# Altium PCB 宠物机器人&导购机器人.PcbDoc (part 5 of 14) (continued)
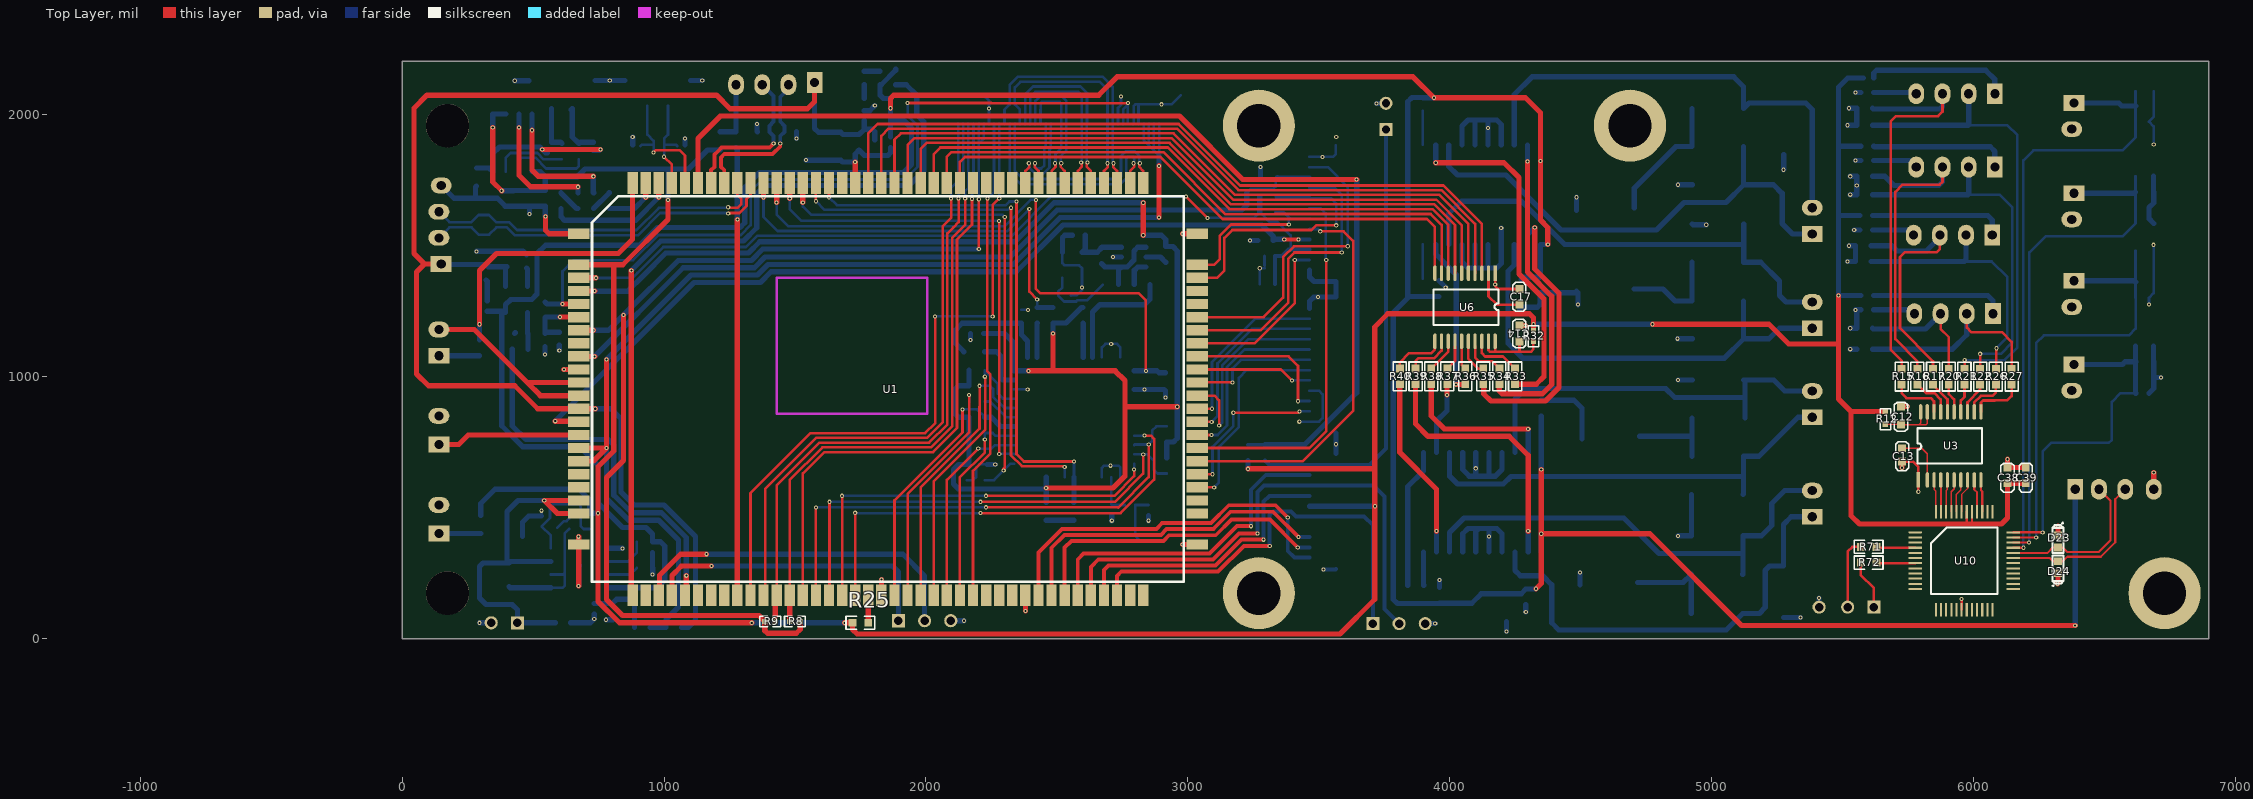
[diagram p0: Top Layer view]
## Free pads (board coordinates) (continued)
1(-1217.55,-384.78) 1(-1217.55,-384.78) 1(-1217.54,-384.59) 1(-1217.54,-384.59) 1(-1217.54,-384.59) 1(-1217.54,-384.59) 1(-1217.54,-384.59) 1(-1217.54,-384.59) 1(-1217.53,-384.73) 1(-1217.53,-384.73) 1(-1217.53,-384.73) 1(-1217.53,-384.67) 1(-1217.53,-384.67) 1(-1217.53,-384.67) 1(-1217.53,-384.52) 1(-1217.53,-384.52) 1(-1217.53,-384.52) 1(-1217.53,-384.47) 1(-1217.53,-384.47) 1(-1217.53,-384.47) 1(-1217.52,-383.69) 1(-1217.52,-383.69) 1(-1217.52,-383.69) 1(-1217.52,-383.69) 1(-1217.52,-383.69) 1(-1217.52,-383.69) 1(-1217.52,-383.49) 1(-1217.52,-383.49) 1(-1217.52,-383.49) 1(-1217.51,-383.22) 1(-1217.51,-383.22) 1(-1217.51,-383.22) 1(-1217.51,-384.8) 1(-1217.51,-384.8) 1(-1217.51,-384.8) 1(-1217.51,-384.8) 1(-1217.51,-384.8) 1(-1217.51,-384.8) 1(-1217.51,-384.78) 1(-1217.51,-384.78) 1(-1217.51,-384.78) 1(-1217.51,-384.8) 1(-1217.51,-384.8) 1(-1217.51,-384.8) 1(-1217.51,-384.8) 1(-1217.51,-384.8) 1(-1217.51,-384.8) 1(-1217.51,-384.62) 1(-1217.51,-384.62) 1(-1217.51,-384.62) 1(-1217.51,-384.59) 1(-1217.51,-384.59) 1(-1217.51,-384.59) 1(-1217.51,-384.59) 1(-1217.51,-384.59) 1(-1217.51,-384.59) 1(-1217.51,-384.59) 1(-1217.51,-384.59) 1(-1217.51,-384.59) 1(-1217.51,-384.57) 1(-1217.51,-384.57) 1(-1217.51,-384.57) 1(-1217.5,-384.7) 1(-1217.5,-384.7) 1(-1217.5,-384.7) 1(-1217.5,-383.3) 1(-1217.5,-383.3) 1(-1217.5,-383.3) 1(-1217.5,-384.03) 1(-1217.5,-384.03) 1(-1217.5,-384.03) 1(-1217.5,-383.9) 1(-1217.5,-383.9) 1(-1217.5,-383.9) 1(-1217.49,-384.89) 1(-1217.49,-384.89) 1(-1217.49,-384.89) 1(-1217.49,-383.07) 1(-1217.49,-383.07) 1(-1217.49,-383.07) 1(-1217.49,-385.21) 1(-1217.49,-385.21) 1(-1217.49,-385.21) 1(-1217.48,-384.25) 1(-1217.48,-384.25) 1(-1217.48,-384.25) 1(-1217.47,-383.3) 1(-1217.47,-383.3) 1(-1217.47,-383.3) 1(-1217.46,-383.49) 1(-1217.46,-383.49) 1(-1217.46,-383.49) 1(-1217.46,-384.81) 1(-1217.46,-384.81) 1(-1217.46,-384.81) 1(-1217.46,-383.32) 1(-1217.46,-383.32) 1(-1217.46,-383.32) 1(-1217.45,-385.13) 1(-1217.45,-385.13) 1(-1217.45,-385.13) 1(-1217.44,-384.08) 1(-1217.44,-384.08) 1(-1217.44,-384.08) 1(-1217.44,-384.74) 1(-1217.44,-384.74) 1(-1217.44,-384.74) 1(-1217.44,-385.07) 1(-1217.44,-385.07) 1(-1217.44,-385.07) 1(-1217.44,-385.07) 1(-1217.44,-385.07) 1(-1217.44,-385.07) 1(-1217.44,-385.04) 1(-1217.44,-385.04) 1(-1217.44,-385.04) 1(-1217.43,-383.98) 1(-1217.43,-383.98) 1(-1217.43,-383.98) 1(-1217.43,-384.34) 1(-1217.43,-384.34) 1(-1217.43,-384.34) 1(-1217.43,-383.47) 1(-1217.43,-383.47) 1(-1217.43,-383.47) 1(-1217.42,-383.32) 1(-1217.42,-383.32) 1(-1217.42,-383.32) 1(-1217.42,-383.85) 1(-1217.42,-383.85) 1(-1217.42,-383.85) 1(-1217.42,-384.64) 1(-1217.42,-384.64) 1(-1217.42,-384.64) 1(-1217.42,-383.07) 1(-1217.42,-383.07) 1(-1217.42,-383.07) 1(-1217.41,-385.1) 1(-1217.41,-385.1) 1(-1217.41,-385.1) 1(-1217.41,-385.1) 1(-1217.41,-385.1) 1(-1217.41,-385.1) 1(-1217.41,-384.28) 1(-1217.41,-384.28) 1(-1217.41,-384.28) 1(-1217.41,-384.23) 1(-1217.41,-384.23) 1(-1217.41,-384.23) 1(-1217.4,-384.46) 1(-1217.4,-384.46) 1(-1217.4,-384.46) 1(-1217.4,-383.57) 1(-1217.4,-383.57) 1(-1217.4,-383.57) 1(-1217.4,-383.57) 1(-1217.4,-383.57) 1(-1217.4,-383.57) 1(-1217.4,-383.57) 1(-1217.4,-383.57) 1(-1217.4,-383.57) 1(-1217.4,-383.52) 1(-1217.4,-383.52) 1(-1217.4,-383.52) 1(-1217.39,-384.16) 1(-1217.39,-384.16) 1(-1217.39,-384.16) 1(-1217.39,-384.33) 1(-1217.39,-384.33) 1(-1217.39,-384.33) 1(-1217.38,-385.13) 1(-1217.38,-385.13) 1(-1217.38,-385.13) 1(-1217.37,-384.51) 1(-1217.37,-384.51) 1(-1217.37,-384.51) 1(-1217.36,-385.1) 1(-1217.36,-385.1) 1(-1217.36,-385.1) 1(-1217.36,-385.1) 1(-1217.36,-385.1) 1(-1217.36,-385.1) 1(-1217.36,-385.1) 1(-1217.36,-385.1) 1(-1217.36,-385.1) 1(-1217.36,-383.51) 1(-1217.36,-383.51) 1(-1217.36,-383.51) 1(-1217.36,-385.1) 1(-1217.36,-385.1) 1(-1217.36,-385.1) 1(-1217.36,-385.1) 1(-1217.36,-385.1) 1(-1217.36,-385.1) 1(-1217.36,-385.04) 1(-1217.36,-385.04) 1(-1217.36,-385.04) 1(-1217.35,-384.89) 1(-1217.35,-384.89) 1(-1217.35,-384.89) 1(-1217.35,-384.78) 1(-1217.35,-384.78) 1(-1217.35,-384.78) 1(-1217.35,-383.47) 1(-1217.35,-383.47) 1(-1217.35,-383.47) 1(-1217.34,-384.27) 1(-1217.34,-384.27) 1(-1217.34,-384.27) 1(-1217.34,-384.1) 1(-1217.34,-384.1) 1(-1217.34,-384.1) 1(-1217.34,-384.08) 1(-1217.34,-384.08) 1(-1217.34,-384.08) 1(-1217.31,-384.84) 1(-1217.31,-384.84) 1(-1217.31,-384.84) 1(-1217.31,-384.75) 1(-1217.31,-384.75) 1(-1217.31,-384.75) 1(-1217.3,-383.29) 1(-1217.3,-383.29) 1(-1217.3,-383.29) 1(-1217.3,-383.08) 1(-1217.3,-383.08) 1(-1217.3,-383.08) 1(-1217.29,-384.42) 1(-1217.29,-384.42) 1(-1217.29,-384.42) 1(-1217.29,-385.14) 1(-1217.29,-385.14) 1(-1217.29,-385.14) 1(-1217.29,-384.78) 1(-1217.29,-384.78) 1(-1217.29,-384.78) 1(-1217.29,-383.34) 1(-1217.29,-383.34) 1(-1217.29,-383.34) 1(-1217.29,-384.2) 1(-1217.29,-384.2) 1(-1217.29,-384.2) 1(-1217.29,-384.12) 1(-1217.29,-384.12) 1(-1217.29,-384.12) 1(-1217.29,-383.81) 1(-1217.29,-383.81) 1(-1217.29,-383.81) 1(-1217.29,-384.29) 1(-1217.29,-384.29) 1(-1217.29,-384.29) 1(-1217.29,-383.96) 1(-1217.29,-383.96) 1(-1217.29,-383.96) 1(-1217.28,-385.1) 1(-1217.28,-385.1) 1(-1217.28,-385.1) 1(-1217.28,-385.1) 1(-1217.28,-385.1) 1(-1217.28,-385.1) 1(-1217.28,-385.1) 1(-1217.28,-385.1) 1(-1217.28,-385.1) 1(-1217.28,-385.09) 1(-1217.28,-385.09) 1(-1217.28,-385.09) 1(-1217.28,-385.09) 1(-1217.28,-385.09) 1(-1217.28,-385.09) 1(-1217.28,-385.04) 1(-1217.28,-385.04) 1(-1217.28,-385.04) 1(-1217.27,-383.3) 1(-1217.27,-383.3) 1(-1217.27,-383.3) 1(-1217.26,-384.9) 1(-1217.26,-384.9) 1(-1217.26,-384.9) 1(-1217.26,-384.6) 1(-1217.26,-384.6) 1(-1217.26,-384.6) 1(-1217.24,-384.71) 1(-1217.24,-384.71) 1(-1217.24,-384.71) 1(-1217.22,-385.1) 1(-1217.22,-385.1) 1(-1217.22,-385.1) 1(-1217.22,-385.1) 1(-1217.22,-385.1) 1(-1217.22,-385.1) 1(-1217.22,-383.74) 1(-1217.22,-383.74) 1(-1217.22,-383.74) 1(-1217.22,-385.22) 1(-1217.22,-385.22) 1(-1217.22,-385.22) 1(-1217.22,-385.14) 1(-1217.22,-385.14) 1(-1217.22,-385.14) 1(-1217.21,-384.92) 1(-1217.21,-384.92) 1(-1217.21,-384.92) 1(-1217.2,-383) 1(-1217.2,-383) 1(-1217.2,-383) 1(-1217.2,-385.08) 1(-1217.2,-385.08) 1(-1217.2,-385.08) 1(-1217.2,-385.08) 1(-1217.2,-385.08) 1(-1217.2,-385.08) 1(-1217.2,-385.04) 1(-1217.2,-385.04) 1(-1217.2,-385.04) 1(-1217.2,-384.48) 1(-1217.2,-384.48) 1(-1217.2,-384.48) 1(-1217.19,-383.34) 1(-1217.19,-383.34) 1(-1217.19,-383.34) 1(-1217.18,-384.7) 1(-1217.18,-384.7) 1(-1217.18,-384.7) 1(-1217.18,-384.39) 1(-1217.18,-384.39) 1(-1217.18,-384.39) 1(-1217.17,-384.48) 1(-1217.17,-384.48) 1(-1217.17,-384.48) 1(-1217.17,-384.48) 1(-1217.17,-384.48) 1(-1217.17,-384.48) 1(-1217.17,-384.48) 1(-1217.17,-384.48) 1(-1217.17,-384.48) 1(-1217.17,-384.48) 1(-1217.17,-384.48) 1(-1217.17,-384.48) 1(-1217.16,-384.78) 1(-1217.16,-384.78) 1(-1217.16,-384.78) 1(-1217.16,-384.58) 1(-1217.16,-384.58) 1(-1217.16,-384.58) 1(-1217.16,-384.74) 1(-1217.16,-384.74) 1(-1217.16,-384.74) 1(-1217.16,-384.37) 1(-1217.16,-384.37) 1(-1217.16,-384.37) 1(-1217.15,-385.05) 1(-1217.15,-385.05) 1(-1217.15,-385.05) 1(-1217.13,-383.34) 1(-1217.13,-383.34) 1(-1217.13,-383.34) 1(-1217.11,-384.42) 1(-1217.11,-384.42) 1(-1217.11,-384.42) 1(-1217.1,-384.51) 1(-1217.1,-384.51) 1(-1217.1,-384.51) 1(-1217.1,-384.56) 1(-1217.1,-384.56) 1(-1217.1,-384.56) 1(-1217.09,-384.3) 1(-1217.09,-384.3) 1(-1217.09,-384.3) 1(-1217.09,-383.73) 1(-1217.09,-383.73) 1(-1217.09,-383.73) 1(-1217.09,-384.86) 1(-1217.09,-384.86) 1(-1217.09,-384.86) 1(-1217.08,-384.92) 1(-1217.08,-384.92) 1(-1217.08,-384.92) 1(-1217.07,-384.64) 1(-1217.07,-384.64) 1(-1217.07,-384.64) 1(-1217.07,-384.57) 1(-1217.07,-384.57) 1(-1217.07,-384.57) 1(-1217.06,-384.69) 1(-1217.06,-384.69) 1(-1217.06,-384.69) 1(-1217.06,-384.37) 1(-1217.06,-384.37) 1(-1217.06,-384.37) 1(-1217.04,-385.1) 1(-1217.04,-385.1) 1(-1217.04,-385.1) 1(-1217.04,-385.1) 1(-1217.04,-385.1) 1(-1217.04,-385.1) 1(-1217.02,-384.81) 1(-1217.02,-384.81) 1(-1217.02,-384.81) 1(-1217.02,-385.1) 1(-1217.02,-385.1) 1(-1217.02,-385.1) 1(-1217.02,-385.1) 1(-1217.02,-385.1) 1(-1217.02,-385.1) 1(-1217.02,-384.98) 1(-1217.02,-384.98) 1(-1217.02,-384.98) 1(-1217.02,-384.92) 1(-1217.02,-384.92) 1(-1217.02,-384.92) 1(-1217.02,-385.1) 1(-1217.02,-385.1) 1(-1217.02,-385.1) 1(-1217.02,-385.1) 1(-1217.02,-385.1) 1(-1217.02,-385.1) 1(-1217.02,-385.1) 1(-1217.02,-385.1) 1(-1217.02,-385.1) 1(-1216.99,-384.59) 1(-1216.99,-384.59) 1(-1216.99,-384.59) 1(-1216.99,-384.72) 1(-1216.99,-384.72) 1(-1216.99,-384.72) 1(-1216.99,-384.65) 1(-1216.99,-384.65) 1(-1216.99,-384.65) 1(-1216.99,-384.89) 1(-1216.99,-384.89) 1(-1216.99,-384.89) 1(-1216.98,-384.78) 1(-1216.98,-384.78) 1(-1216.98,-384.78) 1(-1216.98,-384.74) 1(-1216.98,-384.74) 1(-1216.98,-384.74) 1(-1216.98,-384.74) 1(-1216.98,-384.74) 1(-1216.98,-384.74) 1(-1216.98,-384.64) 1(-1216.98,-384.64) 1(-1216.98,-384.64) 1(-1216.98,-384.64) 1(-1216.98,-384.64) 1(-1216.98,-384.64) 1(-1216.98,-384.59) 1(-1216.98,-384.59) 1(-1216.98,-384.59) 1(-1216.98,-384.37) 1(-1216.98,-384.37) 1(-1216.98,-384.37) 1(-1216.96,-384.64) 1(-1216.96,-384.64) 1(-1216.96,-384.64) 1(-1216.96,-384.79) 1(-1216.96,-384.79) 1(-1216.96,-384.79) 1(-1216.96,-383.74) 1(-1216.96,-383.74) 1(-1216.96,-383.74) 1(-1216.96,-384.74) 1(-1216.96,-384.74) 1(-1216.96,-384.74) 1(-1216.96,-384.74) 1(-1216.96,-384.74) 1(-1216.96,-384.74) 1(-1216.96,-384.64) 1(-1216.96,-384.64) 1(-1216.96,-384.64) 1(-1216.96,-384.64) 1(-1216.96,-384.64) 1(-1216.96,-384.64) 1(-1216.96,-384.74) 1(-1216.96,-384.74) 1(-1216.96,-384.74) 1(-1216.96,-384.74) 1(-1216.96,-384.74) 1(-1216.96,-384.74) 1(-1216.96,-384.63) 1(-1216.96,-384.63) 1(-1216.96,-384.63) 1(-1216.96,-384.63) 1(-1216.96,-384.63) 1(-1216.96,-384.63) 1(-1216.96,-384.59) 1(-1216.96,-384.59) 1(-1216.96,-384.59) 1(-1216.96,-384.59) 1(-1216.96,-384.59) 1(-1216.96,-384.59) 1(-1216.96,-383.7) 1(-1216.96,-383.7) 1(-1216.96,-383.7) 1(-1216.95,-384.44) 1(-1216.95,-384.44) 1(-1216.95,-384.44) 1(-1216.95,-385.19) 1(-1216.95,-385.19) 1(-1216.95,-385.19) 1(-1216.94,-384.57) 1(-1216.94,-384.57) 1(-1216.94,-384.57) 1(-1216.93,-384.84) 1(-1216.93,-384.84) 1(-1216.93,-384.84) 1(-1216.93,-383.05) 1(-1216.93,-383.05) 1(-1216.93,-383.05) 1(-1216.92,-383.6) 1(-1216.92,-383.6) 1(-1216.92,-383.6) 1(-1216.92,-384.69) 1(-1216.92,-384.69) 1(-1216.92,-384.69) 1(-1216.91,-384.78) 1(-1216.91,-384.78) 1(-1216.91,-384.78) 1(-1216.91,-384.54) 1(-1216.91,-384.54) 1(-1216.91,-384.54) 1(-1216.91,-384.59) 1(-1216.91,-384.59) 1(-1216.91,-384.59) 1(-1216.91,-384.73) 1(-1216.91,-384.73) 1(-1216.91,-384.73) 1(-1216.9,-384.3) 1(-1216.9,-384.3) 1(-1216.9,-384.3) 1(-1216.9,-384.82) 1(-1216.9,-384.82) 1(-1216.9,-384.82) 1(-1216.89,-384.37) 1(-1216.89,-384.37) 1(-1216.89,-384.37) 1(-1216.86,-384.47) 1(-1216.86,-384.47) 1(-1216.86,-384.47) 1(-1216.86,-384.97) 1(-1216.86,-384.97) 1(-1216.86,-384.97) 1(-1216.86,-384.97) 1(-1216.86,-384.97) 1(-1216.86,-384.97) 1(-1216.85,-385.04) 1(-1216.85,-385.04) 1(-1216.85,-385.04) 1(-1216.85,-384.98) 1(-1216.85,-384.98) 1(-1216.85,-384.98) 1(-1216.85,-384.98) 1(-1216.85,-384.98) 1(-1216.85,-384.98) 1(-1216.82,-383.7) 1(-1216.82,-383.7) 1(-1216.82,-383.7) 1(-1216.82,-385.18) 1(-1216.82,-385.18) 1(-1216.82,-385.18) 1(-1216.81,-384.66) 1(-1216.81,-384.66) 1(-1216.81,-384.66) 1(-1216.81,-384.42) 1(-1216.81,-384.42) 1(-1216.81,-384.42) 1(-1216.79,-383.6) 1(-1216.79,-383.6) 1(-1216.79,-383.6) 1(-1216.78,-384.78) 1(-1216.78,-384.78) 1(-1216.78,-384.78) 1(-1216.78,-384.59) 1(-1216.78,-384.59) 1(-1216.78,-384.59) 1(-1216.78,-383.73) 1(-1216.78,-383.73) 1(-1216.78,-383.73) 1(-1216.78,-384.68) 1(-1216.78,-384.68) 1(-1216.78,-384.68) 1(-1216.78,-385.1) 1(-1216.78,-385.1) 1(-1216.78,-385.1) 1(-1216.78,-385.1) 1(-1216.78,-385.1) 1(-1216.78,-385.1) 1(-1216.78,-383.01) 1(-1216.78,-383.01) 1(-1216.78,-383.01) 1(-1216.77,-384.37) 1(-1216.77,-384.37) 1(-1216.77,-384.37) 1(-1216.77,-385.08) 1(-1216.77,-385.08) 1(-1216.77,-385.08) 1(-1216.77,-385.08) 1(-1216.77,-385.08) 1(-1216.77,-385.08) 1(-1216.77,-385.04) 1(-1216.77,-385.04) 1(-1216.77,-385.04) 1(-1216.77,-384.3) 1(-1216.77,-384.3) 1(-1216.77,-384.3) 1(-1216.76,-384.63) 1(-1216.76,-384.63) 1(-1216.76,-384.63) 1(-1216.75,-383.11) 1(-1216.75,-383.11) 1(-1216.75,-383.11) 1(-1216.74,-384.79) 1(-1216.74,-384.79) 1(-1216.74,-384.79) 1(-1216.74,-384.68) 1(-1216.74,-384.68) 1(-1216.74,-384.68) 1(-1216.71,-384.6) 1(-1216.71,-384.6) 1(-1216.71,-384.6) 1(-1216.7,-384.57) 1(-1216.7,-384.57) 1(-1216.7,-384.57) 1(-1216.7,-384.51) 1(-1216.7,-384.51) 1(-1216.7,-384.51) 1(-1216.7,-384.3) 1(-1216.7,-384.3) 1(-1216.7,-384.3) 1(-1216.69,-383.74) 1(-1216.69,-383.74) 1(-1216.69,-383.74) 1(-1216.69,-383.69) 1(-1216.69,-383.69) 1(-1216.69,-383.69) 1(-1216.69,-384.79) 1(-1216.69,-384.79) 1(-1216.69,-384.79) 1(-1216.69,-384.68) 1(-1216.69,-384.68) 1(-1216.69,-384.68) 1(-1216.67,-384.48) 1(-1216.67,-384.48) 1(-1216.67,-384.48) 1(-1216.66,-383.46) 1(-1216.66,-383.46) 1(-1216.66,-383.46) 1(-1216.63,-385.19) 1(-1216.63,-385.19) 1(-1216.63,-385.19) 1(-1216.63,-383.48) 1(-1216.63,-383.48) 1(-1216.63,-383.48) 1(-1216.63,-384.43) 1(-1216.63,-384.43) 1(-1216.63,-384.43) 1(-1216.63,-384.55) 1(-1216.63,-384.55) 1(-1216.63,-384.55) 1(-1216.62,-384.76) 1(-1216.62,-384.76) 1(-1216.62,-384.76) 1(-1216.62,-384.69) 1(-1216.62,-384.69) 1(-1216.62,-384.69) 1(-1216.61,-384.79) 1(-1216.61,-384.79) 1(-1216.61,-384.79) 1(-1216.6,-383.88) 1(-1216.6,-383.88) 1(-1216.6,-383.88) 1(-1216.59,-383.92) 1(-1216.59,-383.92) 1(-1216.59,-383.92) 1(-1216.58,-383.81) 1(-1216.58,-383.81) 1(-1216.58,-383.81) 1(-1216.58,-384.31) 1(-1216.58,-384.31) 1(-1216.58,-384.31) 1(-1216.58,-384.31) 1(-1216.58,-384.31) 1(-1216.58,-384.31) 1(-1216.58,-384.22) 1(-1216.58,-384.22) 1(-1216.58,-384.22) 1(-1216.58,-384.22) 1(-1216.58,-384.22) 1(-1216.58,-384.22) 1(-1216.58,-384.18) 1(-1216.58,-384.18) 1(-1216.58,-384.18) 1(-1216.58,-384.69) 1(-1216.58,-384.69) 1(-1216.58,-384.69) 1(-1216.58,-384.69) 1(-1216.58,-384.69) 1(-1216.58,-384.69) 1(-1216.58,-384.57) 1(-1216.58,-384.57) 1(-1216.58,-384.57) 1(-1216.58,-384.57) 1(-1216.58,-384.57) 1(-1216.58,-384.57) 1(-1216.58,-384.57) 1(-1216.58,-384.57) 1(-1216.58,-384.57) 1(-1216.58,-384.57) 1(-1216.58,-384.57) 1(-1216.58,-384.57) 1(-1216.57,-384.76) 1(-1216.57,-384.76) 1(-1216.57,-384.76) 1(-1216.57,-383.89) 1(-1216.57,-383.89) 1(-1216.57,-383.89) 1(-1216.56,-383.76) 1(-1216.56,-383.76) 1(-1216.56,-383.76) 1(-1216.56,-384.07) 1(-1216.56,-384.07) 1(-1216.56,-384.07) 1(-1216.56,-383.86) 1(-1216.56,-383.86) 1(-1216.56,-383.86) 1(-1216.55,-384.34) 1(-1216.55,-384.34) 1(-1216.55,-384.34) 1(-1216.55,-384.34) 1(-1216.55,-384.34) 1(-1216.55,-384.34) 1(-1216.54,-383.1) 1(-1216.54,-383.1) 1(-1216.54,-383.1) 1(-1216.54,-384.25) 1(-1216.54,-384.25) 1(-1216.54,-384.25) 1(-1216.54,-385.22) 1(-1216.54,-385.22) 1(-1216.54,-385.22) 1(-1216.54,-385.19) 1(-1216.54,-385.19) 1(-1216.54,-385.19) 1(-1216.54,-383.01) 1(-1216.54,-383.01) 1(-1216.54,-383.01) 1(-1216.53,-384.45) 1(-1216.53,-384.45) 1(-1216.53,-384.45) 1(-1216.52,-384.52) 1(-1216.52,-384.52) 1(-1216.52,-384.52) 1(-1216.52,-383.67) 1(-1216.52,-383.67) 1(-1216.52,-383.67) 1(-1216.52,-384.12) 1(-1216.52,-384.12) 1(-1216.52,-384.12) 1(-1216.52,-384.4) 1(-1216.52,-384.4) 1(-1216.52,-384.4) 1(-1216.5,-384.34) 1(-1216.5,-384.34) 1(-1216.5,-384.34) 1(-1216.5,-384.34) 1(-1216.5,-384.34) 1(-1216.5,-384.34) 1(-1216.5,-384.34) 1(-1216.5,-384.34) 1(-1216.5,-384.34) 1(-1216.5,-383.69) 1(-1216.5,-383.69) 1(-1216.5,-383.69) 1(-1216.5,-384.04) 1(-1216.5,-384.04) 1(-1216.5,-384.04) 1(-1216.49,-384.25) 1(-1216.49,-384.25) 1(-1216.49,-384.25) 1(-1216.49,-383.87) 1(-1216.49,-383.87) 1(-1216.49,-383.87) 1(-1216.49,-384.31) 1(-1216.49,-384.31) 1(-1216.49,-384.31) 1(-1216.48,-384.73) 1(-1216.48,-384.73) 1(-1216.48,-384.73) 1(-1216.48,-384.37) 1(-1216.48,-384.37) 1(-1216.48,-384.37) 1(-1216.48,-384.8) 1(-1216.48,-384.8) 1(-1216.48,-384.8) 1(-1216.47,-383.34) 1(-1216.47,-383.34) 1(-1216.47,-383.34) 1(-1216.47,-384.89) 1(-1216.47,-384.89) 1(-1216.47,-384.89) 1(-1216.47,-384) 1(-1216.47,-384) 1(-1216.47,-384) 1(-1216.46,-383.71) 1(-1216.46,-383.71) 1(-1216.46,-383.71) 1(-1216.45,-384.27) 1(-1216.45,-384.27) 1(-1216.45,-384.27) 1(-1216.44,-385.21) 1(-1216.44,-385.21) 1(-1216.44,-385.21) 1(-1216.44,-384.02) 1(-1216.44,-384.02) 1(-1216.44,-384.02) 1(-1216.44,-384.51) 1(-1216.44,-384.51) 1(-1216.44,-384.51) 1(-1216.44,-384.69) 1(-1216.44,-384.69) 1(-1216.44,-384.69) 1(-1216.44,-384.69) 1(-1216.44,-384.69) 1(-1216.44,-384.69) 1(-1216.44,-384.36) 1(-1216.44,-384.36) 1(-1216.44,-384.36) 1(-1216.44,-384.8) 1(-1216.44,-384.8) 1(-1216.44,-384.8) 1(-1216.44,-384.74) 1(-1216.44,-384.74) 1(-1216.44,-384.74) 1(-1216.44,-384.74) 1(-1216.44,-384.74) 1(-1216.44,-384.74) 1(-1216.44,-384.74) 1(-1216.44,-384.74) 1(-1216.44,-384.74) 1(-1216.44,-384.74) 1(-1216.44,-384.74) 1(-1216.44,-384.74) 1(-1216.44,-384.69) 1(-1216.44,-384.69) 1(-1216.44,-384.69) 1(-1216.44,-384.69) 1(-1216.44,-384.69) 1(-1216.44,-384.69) 1(-1216.44,-384.69) 1(-1216.44,-384.69) 1(-1216.44,-384.69) 1(-1216.44,-384.69) 1(-1216.44,-384.69) 1(-1216.44,-384.69) 1(-1216.44,-384.57) 1(-1216.44,-384.57) 1(-1216.44,-384.57) 1(-1216.44,-384.57) 1(-1216.44,-384.57) 1(-1216.44,-384.57) 1(-1216.44,-384.57) 1(-1216.44,-384.57) 1(-1216.44,-384.57) 1(-1216.44,-384.57) 1(-1216.44,-384.57) 1(-1216.44,-384.57) 1(-1216.44,-384.51) 1(-1216.44,-384.51) 1(-1216.44,-384.51) 1(-1216.44,-384.51) 1(-1216.44,-384.51) 1(-1216.44,-384.51) 1(-1216.42,-384.14) 1(-1216.42,-384.14) 1(-1216.42,-384.14) 1(-1216.42,-384.06) 1(-1216.42,-384.06) 1(-1216.42,-384.06) 1(-1216.41,-384.89) 1(-1216.41,-384.89) 1(-1216.41,-384.89) 1(-1216.41,-383.64) 1(-1216.41,-383.64) 1(-1216.41,-383.64) 1(-1216.41,-384.77) 1(-1216.41,-384.77) 1(-1216.41,-384.77) 1(-1216.4,-383.86) 1(-1216.4,-383.86) 1(-1216.4,-383.86) 1(-1216.39,-384.02) 1(-1216.39,-384.02) 1(-1216.39,-384.02) 1(-1216.39,-384.39) 1(-1216.39,-384.39) 1(-1216.39,-384.39) 1(-1216.39,-383.98) 1(-1216.39,-383.98) 1(-1216.39,-383.98) 1(-1216.39,-383.39) 1(-1216.39,-383.39) 1(-1216.39,-383.39) 1(-1216.36,-384.13) 1(-1216.36,-384.13) 1(-1216.36,-384.13) 1(-1216.36,-383.64) 1(-1216.36,-383.64) 1(-1216.36,-383.64) 1(-1216.35,-384.31) 1(-1216.35,-384.31) 1(-1216.35,-384.31) 1(-1216.35,-384.27) 1(-1216.35,-384.27) 1(-1216.35,-384.27) 1(-1216.35,-384.27) 1(-1216.35,-384.27) 1(-1216.35,-384.27) 1(-1216.35,-384.27) 1(-1216.35,-384.27) 1(-1216.35,-384.27) 1(-1216.35,-384.27) 1(-1216.35,-384.27) 1(-1216.35,-384.27) 1(-1216.33,-383.39) 1(-1216.33,-383.39) 1(-1216.33,-383.39) 1(-1216.33,-384.06) 1(-1216.33,-384.06) 1(-1216.33,-384.06) 1(-1216.32,-384.13) 1(-1216.32,-384.13) 1(-1216.32,-384.13) 1(-1216.32,-384.34) 1(-1216.32,-384.34) 1(-1216.32,-384.34) 1(-1216.32,-384.34) 1(-1216.32,-384.34) 1(-1216.32,-384.34) 1(-1216.31,-384.43) 1(-1216.31,-384.43) 1(-1216.31,-384.43) 1(-1216.31,-384.43) 1(-1216.31,-384.43) 1(-1216.31,-384.43) 1(-1216.31,-384.33) 1(-1216.31,-384.33) 1(-1216.31,-384.33) 1(-1216.31,-384.33) 1(-1216.31,-384.33) 1(-1216.31,-384.33) 1(-1216.31,-383.66) 1(-1216.31,-383.66) 1(-1216.31,-383.66) 1(-1216.31,-384.92) 1(-1216.31,-384.92) 1(-1216.31,-384.92) 1(-1216.31,-384) 1(-1216.31,-384) 1(-1216.31,-384) 1(-1216.3,-383.88) 1(-1216.3,-383.88) 1(-1216.3,-383.88) 1(-1216.29,-384.47) 1(-1216.29,-384.47) 1(-1216.29,-384.47) 1(-1216.29,-384.47) 1(-1216.29,-384.47) 1(-1216.29,-384.47) 1(-1216.29,-384.45) 1(-1216.29,-384.45) 1(-1216.29,-384.45) 1(-1216.29,-384.45) 1(-1216.29,-384.45) 1(-1216.29,-384.45) 1(-1216.28,-384.27) 1(-1216.28,-384.27) 1(-1216.28,-384.27) 1(-1216.28,-383.34) 1(-1216.28,-383.34) 1(-1216.28,-383.34) 1(-1216.28,-384.4) 1(-1216.28,-384.4) 1(-1216.28,-384.4) 1(-1216.27,-385.01) 1(-1216.27,-385.01) 1(-1216.27,-385.01) 1(-1216.27,-385.01) 1(-1216.27,-385.01) 1(-1216.27,-385.01) 1(-1216.27,-384.91) 1(-1216.27,-384.91) 1(-1216.27,-384.91) 1(-1216.27,-384.91) 1(-1216.27,-384.91) 1(-1216.27,-384.91) 1(-1216.26,-383.74) 1(-1216.26,-383.74) 1(-1216.26,-383.74) 1(-1216.26,-385.1) 1(-1216.26,-385.1) 1(-1216.26,-385.1) 1(-1216.26,-383.64) 1(-1216.26,-383.64) 1(-1216.26,-383.64) 1(-1216.26,-385.02) 1(-1216.26,-385.02) 1(-1216.26,-385.02) 1(-1216.26,-385.02) 1(-1216.26,-385.02) 1(-1216.26,-385.02) 1(-1216.26,-384.36) 1(-1216.26,-384.36) 1(-1216.26,-384.36) 1(-1216.26,-384.27) 1(-1216.26,-384.27) 1(-1216.26,-384.27) 1(-1216.25,-384.54) 1(-1216.25,-384.54) 1(-1216.25,-384.54) 1(-1216.24,-383.88) 1(-1216.24,-383.88) 1(-1216.24,-383.88) 1(-1216.23,-385.02) 1(-1216.23,-385.02) 1(-1216.23,-385.02) 1(-1216.23,-384.06) 1(-1216.23,-384.06) 1(-1216.23,-384.06) 1(-1216.23,-383.3) 1(-1216.23,-383.3) 1(-1216.23,-383.3) 1(-1216.22,-384.36) 1(-1216.22,-384.36) 1(-1216.22,-384.36) 1(-1216.22,-384.47) 1(-1216.22,-384.47) 1(-1216.22,-384.47) 1(-1216.22,-384.47) 1(-1216.22,-384.47) 1(-1216.22,-384.47) 1(-1216.22,-384) 1(-1216.22,-384) 1(-1216.22,-384) 1(-1216.22,-385.02) 1(-1216.22,-385.02) 1(-1216.22,-385.02) 1(-1216.22,-384.96) 1(-1216.22,-384.96) 1(-1216.22,-384.96) 1(-1216.21,-384.57) 1(-1216.21,-384.57) 1(-1216.21,-384.57) 1(-1216.21,-384.82) 1(-1216.21,-384.82) 1(-1216.21,-384.82) 1(-1216.21,-384.74) 1(-1216.21,-384.74) 1(-1216.21,-384.74) 1(-1216.21,-384.69) 1(-1216.21,-384.69) 1(-1216.21,-384.69) 1(-1216.21,-384.52) 1(-1216.21,-384.52) 1(-1216.21,-384.52) 1(-1216.21,-384.2) 1(-1216.21,-384.2) 1(-1216.21,-384.2) 1(-1216.2,-384.63) 1(-1216.2,-384.63) 1(-1216.2,-384.63) 1(-1216.2,-385.11) 1(-1216.2,-385.11) 1(-1216.2,-385.11) 1(-1216.2,-384.12) 1(-1216.2,-384.12) 1(-1216.2,-384.12) 1(-1216.19,-383.29) 1(-1216.19,-383.29) 1(-1216.19,-383.29) 1(-1216.19,-384.48) 1(-1216.19,-384.48) 1(-1216.19,-384.48) 1(-1216.19,-384.48) 1(-1216.19,-384.48) 1(-1216.19,-384.48) 1(-1216.17,-385.02) 1(-1216.17,-385.02) 1(-1216.17,-385.02) 1(-1216.17,-384.96) 1(-1216.17,-384.96) 1(-1216.17,-384.96) 1(-1216.17,-384.96) 1(-1216.17,-384.96) 1(-1216.17,-384.96) 1(-1216.17,-385.09) 1(-1216.17,-385.09) 1(-1216.17,-385.09) 1(-1216.17,-383.86) 1(-1216.17,-383.86) 1(-1216.17,-383.86) 1(-1216.17,-384.96) 1(-1216.17,-384.96) 1(-1216.17,-384.96) 1(-1216.17,-384.96) 1(-1216.17,-384.96) 1(-1216.17,-384.96) 1(-1216.17,-384.88) 1(-1216.17,-384.88) 1(-1216.17,-384.88) 1(-1216.17,-384.88) 1(-1216.17,-384.88) 1(-1216.17,-384.88) 1(-1216.17,-384.52) 1(-1216.17,-384.52) 1(-1216.17,-384.52) 1(-1216.17,-384.52) 1(-1216.17,-384.52) 1(-1216.17,-384.52) 1(-1216.16,-384.37) 1(-1216.16,-384.37) 1(-1216.16,-384.37) 1(-1216.15,-384.11) 1(-1216.15,-384.11) 1(-1216.15,-384.11) 1(-1216.15,-383.65) 1(-1216.15,-383.65) 1(-1216.15,-383.65) 1(-1216.15,-383.01) 1(-1216.15,-383.01) 1(-1216.15,-383.01) 1(-1216.15,-384.47) 1(-1216.15,-384.47) 1(-1216.15,-384.47) 1(-1216.15,-384.05) 1(-1216.15,-384.05) 1(-1216.15,-384.05) 1(-1216.14,-384.2) 1(-1216.14,-384.2) 1(-1216.14,-384.2) 1(-1216.14,-384.27) 1(-1216.14,-384.27) 1(-1216.14,-384.27) 1(-1216.13,-383.92) 1(-1216.13,-383.92) 1(-1216.13,-383.92) 1(-1216.12,-384.82) 1(-1216.12,-384.82) 1(-1216.12,-384.82) 1(-1216.12,-384.74) 1(-1216.12,-384.74) 1(-1216.12,-384.74) 1(-1216.12,-384.68) 1(-1216.12,-384.68) 1(-1216.12,-384.68) 1(-1216.12,-384.61) 1(-1216.12,-384.61) 1(-1216.12,-384.61) 1(-1216.12,-384.53) 1(-1216.12,-384.53) 1(-1216.12,-384.53) 1(-1216.11,-385.13) 1(-1216.11,-385.13) 1(-1216.11,-385.13) 1(-1216.1,-383.98) 1(-1216.1,-383.98) 1(-1216.1,-383.98) 1(-1216.09,-383.29) 1(-1216.09,-383.29) 1(-1216.09,-383.29) 1(-1216.09,-384.31) 1(-1216.09,-384.31) 1(-1216.09,-384.31) 1(-1216.09,-384.27) 1(-1216.09,-384.27) 1(-1216.09,-384.27) 1(-1216.09,-384.27) 1(-1216.09,-384.27) 1(-1216.09,-384.27) 1(-1216.09,-384.27) 1(-1216.09,-384.27) 1(-1216.09,-384.27) 1(-1216.08,-383.11) 1(-1216.08,-383.11) 1(-1216.08,-383.11) 1(-1216.07,-384.09) 1(-1216.07,-384.09) 1(-1216.07,-384.09) 1(-1216.07,-384.36) 1(-1216.07,-384.36) 1(-1216.07,-384.36) 1(-1216.06,-383.74) 1(-1216.06,-383.74) 1(-1216.06,-383.74) 1(-1216.06,-385.09) 1(-1216.06,-385.09) 1(-1216.06,-385.09) 1(-1216.06,-385.13) 1(-1216.06,-385.13) 1(-1216.06,-385.13) 1(-1216.04,-384.21) 1(-1216.04,-384.21) 1(-1216.04,-384.21) 1(-1216.04,-384.19) 1(-1216.04,-384.19) 1(-1216.04,-384.19) 1(-1216.03,-384.42) 1(-1216.03,-384.42) 1(-1216.03,-384.42) 1(-1216.03,-384.33) 1(-1216.03,-384.33) 1(-1216.03,-384.33) 1(-1216.03,-384.33) 1(-1216.03,-384.33) 1(-1216.03,-384.33) 1(-1216.03,-384.27) 1(-1216.03,-384.27) 1(-1216.03,-384.27) 1(-1216.03,-384.27) 1(-1216.03,-384.27) 1(-1216.03,-384.27) 1(-1216.02,-384.33) 1(-1216.02,-384.33) 1(-1216.02,-384.33) 1(-1216.02,-384.27) 1(-1216.02,-384.27) 1(-1216.02,-384.27) 1(-1216.02,-384.53) 1(-1216.02,-384.53) 1(-1216.02,-384.53) 1(-1216.02,-385.07) 1(-1216.02,-385.07) 1(-1216.02,-385.07) 1(-1216.02,-384.47) 1(-1216.02,-384.47) 1(-1216.02,-384.47) 1(-1216.02,-384.67) 1(-1216.02,-384.67) 1(-1216.02,-384.67) 1(-1216.02,-384.74) 1(-1216.02,-384.74) 1(-1216.02,-384.74) 1(-1216.01,-384.6) 1(-1216.01,-384.6) 1(-1216.01,-384.6) 1(-1216.01,-384.82) 1(-1216.01,-384.82) 1(-1216.01,-384.82) 1(-1216.01,-383.81) 1(-1216.01,-383.81) 1(-1216.01,-383.81) 1(-1216,-384.07) 1(-1216,-384.07) 1(-1216,-384.07) 1(-1216,-384.21) 1(-1216,-384.21) 1(-1216,-384.21) 1(-1216,-384.19) 1(-1216,-384.19) 1(-1216,-384.19) 1(-1216,-384.11) 1(-1216,-384.11) 1(-1216,-384.11) 1(-1216,-384.1) 1(-1216,-384.1) 1(-1216,-384.1) 1(-1216,-385.04) 1(-1216,-385.04) 1(-1216,-385.04) 1(-1216,-382.98) 1(-1216,-382.98) 1(-1216,-382.98) 1(-1215.99,-384.42) 1(-1215.99,-384.42) 1(-1215.99,-384.42) 1(-1215.99,-384.39) 1(-1215.99,-384.39) 1(-1215.99,-384.39) 1(-1215.99,-384.39) 1(-1215.99,-384.39) 1(-1215.99,-384.39) 1(-1215.98,-383.3) 1(-1215.98,-383.3) 1(-1215.98,-383.3) 1(-1215.97,-385.07) 1(-1215.97,-385.07) 1(-1215.97,-385.07) 1(-1215.97,-384.36) 1(-1215.97,-384.36) 1(-1215.97,-384.36) 1(-1215.97,-384.36) 1(-1215.97,-384.36) 1(-1215.97,-384.36) 1(-1215.97,-384.33) 1(-1215.97,-384.33) 1(-1215.97,-384.33) 1(-1215.97,-383.27) 1(-1215.97,-383.27) 1(-1215.97,-383.27) 1(-1215.96,-385.04) 1(-1215.96,-385.04) 1(-1215.96,-385.04) 1(-1215.96,-384.21) 1(-1215.96,-384.21) 1(-1215.96,-384.21) 1(-1215.96,-384.19) 1(-1215.96,-384.19) 1(-1215.96,-384.19) 1(-1215.96,-384.11) 1(-1215.96,-384.11) 1(-1215.96,-384.11) 1(-1215.96,-384.1) 1(-1215.96,-384.1) 1(-1215.96,-384.1) 1(-1215.96,-383.32) 1(-1215.96,-383.32) 1(-1215.96,-383.32) 1(-1215.96,-385.13) 1(-1215.96,-385.13) 1(-1215.96,-385.13) 1(-1215.96,-384.46) 1(-1215.96,-384.46) 1(-1215.96,-384.46) 1(-1215.96,-384.46) 1(-1215.96,-384.46) 1(-1215.96,-384.46) 1(-1215.96,-384.42) 1(-1215.96,-384.42) 1(-1215.96,-384.42) 1(-1215.95,-383.21) 1(-1215.95,-383.21) 1(-1215.95,-383.21) 1(-1215.95,-383.02) 1(-1215.95,-383.02) 1(-1215.95,-383.02) 1(-1215.94,-383.24) 1(-1215.94,-383.24) 1(-1215.94,-383.24) 1(-1215.94,-384.48) 1(-1215.94,-384.48) 1(-1215.94,-384.48) 1(-1215.94,-384.48) 1(-1215.94,-384.48) 1(-1215.94,-384.48) 1(-1215.94,-383.34) 1(-1215.94,-383.34) 1(-1215.94,-383.34) 1(-1215.94,-384.15) 1(-1215.94,-384.15) 1(-1215.94,-384.15) 1(-1215.94,-383.92) 1(-1215.94,-383.92) 1(-1215.94,-383.92) 1(-1215.92,-384.07) 1(-1215.92,-384.07) 1(-1215.92,-384.07) 1(-1215.92,-384.83) 1(-1215.92,-384.83) 1(-1215.92,-384.83) 1(-1215.92,-385.04) 1(-1215.92,-385.04) 1(-1215.92,-385.04) 1(-1215.92,-385.04) 1(-1215.92,-385.04) 1(-1215.92,-385.04) 1(-1215.92,-384.79) 1(-1215.92,-384.79) 1(-1215.92,-384.79) 1(-1215.92,-384.54) 1(-1215.92,-384.54) 1(-1215.92,-384.54) 1(-1215.92,-384.48) 1(-1215.92,-384.48) 1(-1215.92,-384.48) 1(-1215.92,-384.61) 1(-1215.92,-384.61) 1(-1215.92,-384.61) 1(-1215.92,-384.68) 1(-1215.92,-384.68) 1(-1215.92,-384.68) 1(-1215.92,-384.37) 1(-1215.92,-384.37) 1(-1215.92,-384.37) 1(-1215.91,-384.74) 1(-1215.91,-384.74) 1(-1215.91,-384.74) 1(-1215.91,-384.33) 1(-1215.91,-384.33) 1(-1215.91,-384.33) 1(-1215.91,-383.89) 1(-1215.91,-383.89) 1(-1215.91,-383.89) 1(-1215.91,-384.33) 1(-1215.91,-384.33) 1(-1215.91,-384.33) 1(-1215.91,-384.33) 1(-1215.91,-384.33) 1(-1215.91,-384.33) 1(-1215.9,-384.48) 1(-1215.9,-384.48) 1(-1215.9,-384.48) 1(-1215.9,-384.48) 1(-1215.9,-384.48) 1(-1215.9,-384.48) 1(-1215.89,-383.14) 1(-1215.89,-383.14) 1(-1215.89,-383.14) 1(-1215.89,-384.22) 1(-1215.89,-384.22) 1(-1215.89,-384.22) 1(-1215.89,-384.46) 1(-1215.89,-384.46) 1(-1215.89,-384.46) 1(-1215.89,-384.46) 1(-1215.89,-384.46) 1(-1215.89,-384.46) 1(-1215.89,-384.42) 1(-1215.89,-384.42) 1(-1215.89,-384.42)